# Altium PCB DB3100.PcbDoc
Units mil, origin at the board's own origin, x right, y up, seen from the top; angles counter-clockwise.
Board outline 3937.01 x 1574.8 mil, 2 copper layers (Top Layer, Bottom Layer); 38 components, 56 nets, 232 pads, 28 vias.
Unrouted connection lines stored in the file: 29.
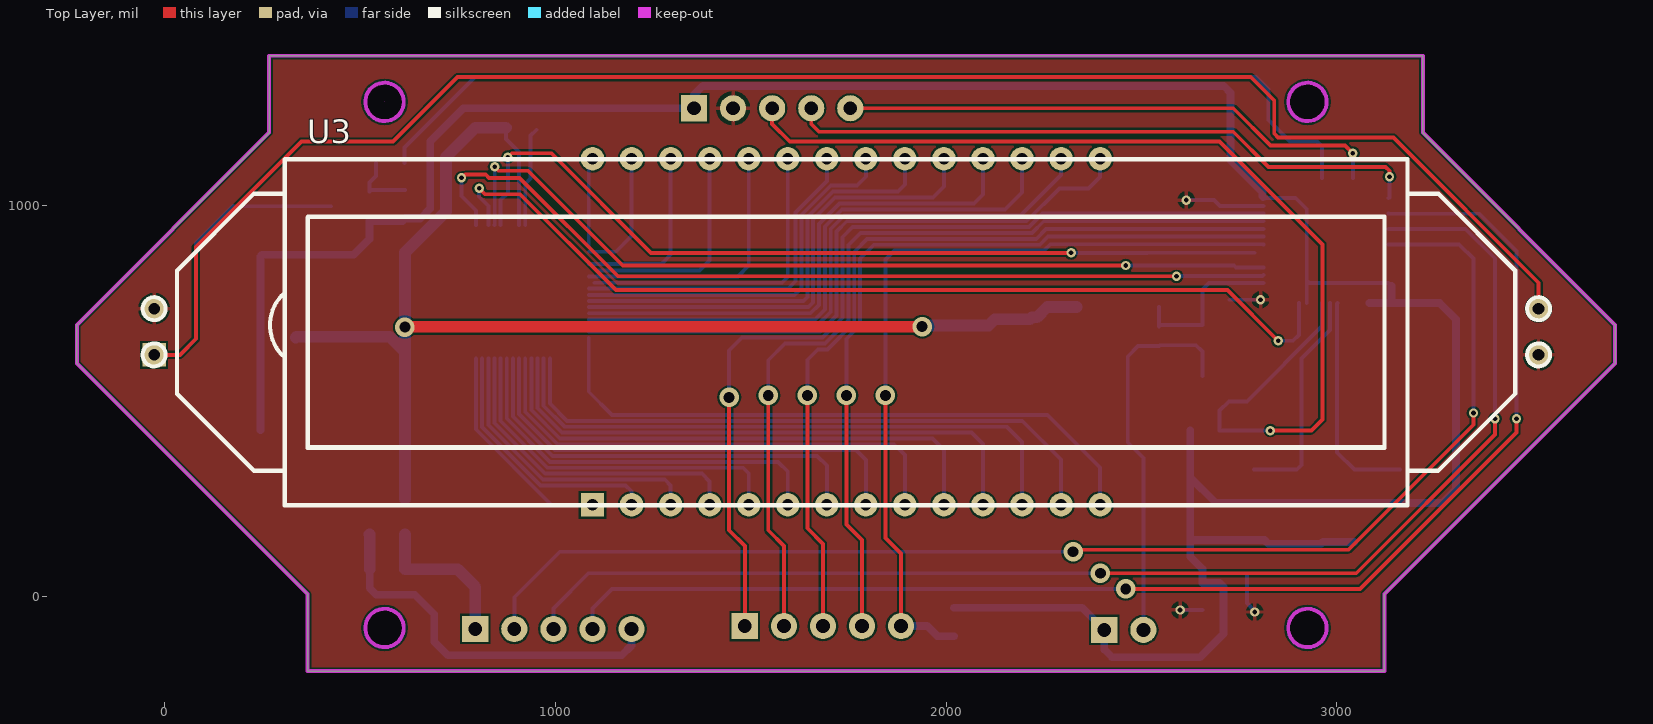
[diagram p0: Top Layer view]
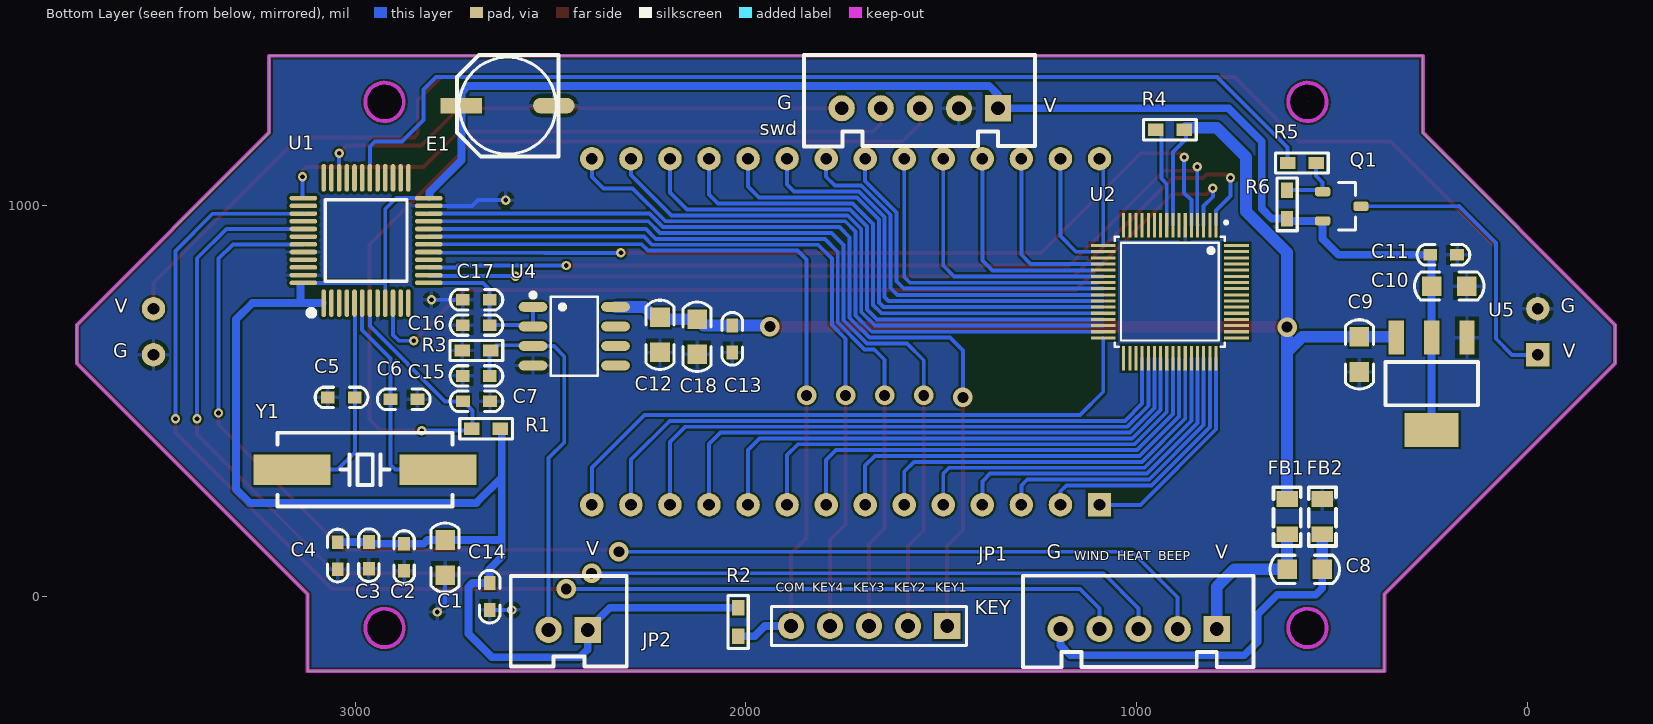
[diagram p1: Bottom Layer view, seen from below]

## Layer stack, top to bottom
Top Solder: solder mask 0.4, Solder Resist, Dk 3.5
Top Layer: signal copper 1.4
Dielectric 1: dielectric 12.6, FR-4, Dk 4.8
Bottom Layer: signal copper 1.4
Bottom Solder: solder mask 0.4, Solder Resist, Dk 3.5

## Board outline
-224.55,597.03 -224.55,695.46 267.58,1187.59 267.58,1384.44 3220.33,1384.44 3220.33,1187.59 3712.46,695.46 3712.46,597.03 3121.91,6.48 3121.91,-190.37 366,-190.37 366,6.48
cut-out: 2875.84,1266.33 ccw(c2925.06,1266.33) 2925.06,1217.11 ccw(c2925.06,1266.33) 2974.27,1266.33 ccw(c2925.06,1266.33) 2925.06,1315.54 ccw(c2925.06,1266.33)
cut-out: 2875.84,-80.13 ccw(c2925.06,-80.13) 2925.06,-129.34 ccw(c2925.06,-80.13) 2974.27,-80.13 ccw(c2925.06,-80.13) 2925.06,-30.92 ccw(c2925.06,-80.13)
cut-out: 513.64,-80.13 ccw(c562.85,-80.13) 562.85,-129.34 ccw(c562.85,-80.13) 612.06,-80.13 ccw(c562.85,-80.13) 562.85,-30.92 ccw(c562.85,-80.13)
cut-out: 562.85,1217.11 cw(c562.85,1266.33) 513.64,1266.33 cw(c562.85,1266.33) 562.85,1315.54 cw(c562.85,1266.33) 612.06,1266.33 cw(c562.85,1266.33)
cut-out: 562.85,1266.33

## Design rules (kind name [scope] priority, off if disabled: settings)
Clearance U2 [InComponent('U2')] p1: gap=6 ignorepadtopadclearanceinfootprint=FALSE
Clearance U1 [InComponent('U1')] p2: gap=7 ignorepadtopadclearanceinfootprint=FALSE
Clearance [All] p3: gap=5 ignorepadtopadclearanceinfootprint=FALSE
HoleSize [All] p1: absolutevalues=TRUE maxlimit=400 minlimit=1 maxpercent=80.000 minpercent=20.000
HoleToHoleClearance [All] p1: gap=4 allowstackedmicrovias=TRUE
MinimumSolderMaskSliver [All] p1: minsoldermaskwidth=3
PolygonConnect [All] p1: connectstyle=Relief reliefconductorwidth=10 reliefentries=4 polygonreliefangle="90 Angle" airgapwidth=10
RoutingVias [All] p1: holewidth=28 width=50 viastyle="Through Hole" minholewidth=28 minwidth=50 maxholewidth=28 maxwidth=50
SilkToSilkClearance [All] p1: silktosilkclearance=0
SilkToSolderMaskClearance [IsPad] p1: minsilkscreentomaskgap=0 clearancetoexposedcopper=TRUE
SolderMaskExpansion [All] p1: expansion=4
Width [All] p1: maxlimit=120 minlimit=10 preferedwidth=10
25 further rules are at their usual default settings.

## Components (designator, comment, footprint, x,y, rotation, side; value= is the part's Value field where it differs from the comment)
C1 "10uF/16V" "C 0805" 2770,100 r90 bottom
C2 "0.1uF" "C 0603" 2875,101.33 r90 bottom
C3 "0.1uF" "C 0603" 2965,106.07 r90 bottom
C4 "0.1uF" "C 0603" 3045,105.07 r90 bottom
C5 "22pF" "C 0603" 3035,510 r180 bottom
C6 "22pF" "C 0603" 2875.84,505 r0 bottom
C7 "0.1uF" "C 0603" 2690,500 r0 bottom
C8 "10uF/16V" "C 0805" 570,70 r0 bottom
C9 "10uF/16V" "C 0805" 430,620 r90 bottom
C10 "10uF/16V" "C 0805" 200,795 r0 bottom
C11 "0.1uF" "C 0603" 215,875 r0 bottom
C12 "10uF/16V" "C 0805" 2220,670 r90 bottom
C13 "0.1uF" "C 0603" 2035,660 r90 bottom
C14 "0.1uF" "C 0603" 2656,0 r270 bottom
C15 "0.1uF" "C 0603" 2690,565 r180 bottom
C16 "0.1uF" "C 0603" 2690,695 r180 bottom
C17 "100pF" "C 0603" 2690,760 r180 bottom
C18 "10uF/16V" "C 0805" 2125,665 r90 bottom
E1 "100uF/16V" "CM D(6.3*5.4)" 2610,1256.72 r0 bottom
FB1 "121" "L 0805" 615,205 r90 bottom
FB2 "121" "L 0805" 524.63,205 r90 bottom
JP1 "HDR-1X5" XH2.54-5P 795,-82.55 r0 bottom
JP2 "HDR-1X2" XH2.54-2P 2405,-84.98 r0 bottom (schematic designator JP?)
KEY "HDR-1X5" HDR-1X5 1485,-75.28 r0 bottom
Q1 "AO3401A" SOT23-3 475,999.16 r180 bottom
R1 "10K" "R 0603" 2665,430 r180 bottom
R2 "10K" "R 0603" 2020,-65 r90 bottom
R3 "30K" "R 0603" 2690,630 r180 bottom
R4 "2K" "R 0603" 915,1195 r0 bottom
R5 "1K" "R 0603" 577.21,1110 r180 bottom
R6 "10K" "R 0603" 615,1004.16 r270 bottom
swd "HDR-1X5" XH2.54-5P 1355,1250 r0 bottom
U1 "STM32F030C8T6" STM32F030C8T6 2972.38,911.58 r180 bottom
U2 "HT1622" HT1622 736,955.5 r0 bottom
U3 "DB3100" DB3100 3181.8,1120.83 r0 top
U4 "LM358" LM358 2600,556.58 r180 bottom
U5 "AMS1117-3.3" AMS1117-3.3 245,545 r90 bottom
Y1 "8MHz" "XTAL-49S SMD" 2975,325 r0 bottom

## Footprints (in the part's own frame and the unit in brackets; to place one, negate y for a bottom-side part, rotate by r counter-clockwise, add the part's x,y. Pads: shape width x height; smd on the part's side, far side on the other; paste and mask are expansions set on the pad)
AMS1117-3.3 [mm]
  rect 2.2x1 smd: 1(3,-2.3) 2(3,0) 3(3,2.3)
  rect 2.2x3.5 smd: 2(-3,0)
  silkscreen extent -1.4,-3 1.4,3, body extent -3.49,-3.24 3.49,3.24, height 1.64
"C 0603" [mil] "无极性贴片电容"
  rect 35x30 smd: 1(-35,0) 2(34,0)
  silkscreen extent -67,-26 67,26, body extent -31,-16 31,16, height 32
"C 0805" [mil] "无极性贴片电容"
  rect 50x50 smd: 1(-45,0) 2(45,0)
  silkscreen extent -89,-36 89,36, body extent -39,-24 39,24, height 20
"CM D(6.3*5.4)" [mm] "贴片电解电容，直径6.3mm，高5.4mm"
  rect 2.7x1 smd: 1(3,0)
  oval 2.7x1 smd: 2(-3,0)
  silkscreen extent -3.3,-3.3 3.3,3.3, body extent -3.5,-3.3 3.5,3.3, height 5.4
DB3100 [mil] "DB3100的屏幕和背光"
  rect 60x60 hole 30: 1(-2086.61,-885.83) 29(-3208.66,-501.97)
  round 60 hole 30: 2(-1986.67,-885.83) 3(-1886.74,-885.83) 4(-1786.8,-885.83) 5(-1686.86,-885.83) 6(-1586.92,-885.83) 7(-1486.98,-885.83) 8(-1387.04,-885.83) 9(-1287.1,-885.83) 10(-1187.16,-885.83) 11(-1087.22,-885.83) 12(-987.28,-885.83) 13(-887.34,-885.83) 14(-787.4,-885.83) 15(-787.4,0) 16(-887.34,0) 17(-987.28,0) 18(-1087.22,0) 19(-1187.16,0) 20(-1287.1,0) 21(-1387.04,0) 22(-1486.98,0) 23(-1586.92,0) 24(-1686.86,0) 25(-1786.8,0) 26(-1886.74,0) 27(-1986.67,0) 28(-2086.61,0) 30(-3208.66,-383.86) 31(334.65,-383.86) 32(334.65,-501.97)
  silkscreen extent -3238,-886 364,0, body extent -3154,-886 272,4, height 181
HDR-1X5 [mm] "排针，5脚"
  rect 1.7x1.7 hole 0.9: 1(0,0)
  round 1.7 hole 0.9: 2(2.54,0) 3(5.08,0) 4(7.62,0) 5(10.16,0)
  silkscreen extent -1.27,-1.27 11.43,1.27, body extent -1.27,-1.27 11.43,1.27, height 8.5
HT1622 [mil] "64脚，体宽10x10mm，脚距0.5mm"
  rect 7.9x63 smd mask+2: 1(61,4.5) 2(76.7,4.5) 3(92.5,4.5) 4(108.2,4.5) 5(124,4.5) 6(139.7,4.5) 7(155.5,4.5) 8(171.2,4.5) 9(187,4.5) 10(202.7,4.5) 11(218.5,4.5) 12(234.2,4.5) 13(250,4.5) 14(265.7,4.5) 15(281.5,4.5) 16(297.2,4.5) 33(297.2,345.5) 34(281.5,345.5) 35(265.7,345.5) 36(250,345.5) 37(234.2,345.5) 38(218.5,345.5) 39(202.7,345.5) 40(187,345.5) 41(171.2,345.5) 42(155.5,345.5) 43(139.7,345.5) 44(124,345.5) 45(108.2,345.5) 46(92.5,345.5) 47(76.7,345.5) 48(61,345.5)
  rect 63x7.9 smd mask+2: 17(349.6,56.9) 18(349.6,72.6) 19(349.6,88.4) 20(349.6,104.1) 21(349.6,119.9) 22(349.6,135.6) 23(349.6,151.4) 24(349.6,167.1) 25(349.6,182.9) 26(349.6,198.6) 27(349.6,214.4) 28(349.6,230.1) 29(349.6,245.9) 30(349.6,261.6) 31(349.6,277.4) 32(349.6,293.1) 49(8.6,293.1) 50(8.6,277.4) 51(8.6,261.6) 52(8.6,245.9) 53(8.6,230.1) 54(8.6,214.4) 55(8.6,198.6) 56(8.6,182.9) 57(8.6,167.1) 58(8.6,151.4) 59(8.6,135.6) 60(8.6,119.9) 61(8.6,104.1) 62(8.6,88.4) 63(8.6,72.6) 64(8.6,56.9)
  silkscreen extent 31,-6 320,316, body extent 3,-2 357,352, height 61
"L 0805" [mil] "小功率贴片电感"
  rect 40x55 smd: 1(-45,0) 2(45,0)
  silkscreen extent -75,-35 75,35, body extent -39,-24 39,24, height 35
LM358 [mm] "5*6*1.8mm（长宽高）"
  oval 1.865x0.63 smd mask+0.051: 1(1.397,4.699) 2(1.397,3.429) 3(1.397,2.159) 4(1.397,0.889) 5(6.762,0.889) 6(6.762,2.159) 7(6.762,3.429) 8(6.762,4.699)
  silkscreen extent 1.25,0.22 5.6,5.62, body extent 1.06,0.29 7.07,5.29, height 1.9
"R 0603" [mil] "1/10W贴片电阻"
  rect 40x31.5 smd: 1(-36.5,0) 2(36.5,0)
  silkscreen extent -68,-26 68,26, body extent -31,-16 31,16, height 16
SOT23-3 [mm] "SOT23, 3-Leads, Body 3.1x3.0mm (max), Pitch 0.95mm, IPC Medium Density"
  rrect50% 1x0.6 smd: 1(-1.246,0.95) 2(-1.246,-0.95) 3(1.246,0)
  silkscreen extent -0.2,-1.55 0.9,1.55, body extent -1.3,-1.45 1.5,1.45, height 1.2
STM32F030C8T6 [mm]
  oval 0.3x1.8 smd: 1(-2.75,-4.073) 2(-2.25,-4.073) 3(-1.75,-4.073) 4(-1.25,-4.073) 5(-0.75,-4.073) 6(-0.25,-4.073) 7(0.25,-4.073) 8(0.75,-4.073) 9(1.25,-4.073) 10(1.75,-4.073) 11(2.25,-4.073) 12(2.75,-4.073) 25(2.75,4.073) 26(2.25,4.073) 27(1.75,4.073) 28(1.25,4.073) 29(0.75,4.073) 30(0.25,4.073) 31(-0.25,4.073) 32(-0.75,4.073) 33(-1.25,4.073) 34(-1.75,4.073) 35(-2.25,4.073) 36(-2.75,4.073)
  oval 1.8x0.3 smd: 13(4.073,-2.75) 14(4.073,-2.25) 15(4.073,-1.75) 16(4.073,-1.25) 17(4.073,-0.75) 18(4.073,-0.25) 19(4.073,0.25) 20(4.073,0.75) 21(4.073,1.25) 22(4.073,1.75) 23(4.073,2.25) 24(4.073,2.75) 37(-4.073,2.75) 38(-4.073,2.25) 39(-4.073,1.75) 40(-4.073,1.25) 41(-4.073,0.75) 42(-4.073,0.25) 43(-4.073,-0.25) 44(-4.073,-0.75) 45(-4.073,-1.25) 46(-4.073,-1.75) 47(-4.073,-2.25) 48(-4.073,-2.75)
  silkscreen extent -3.68,-4.83 2.65,2.65, body extent -4.5,-4.5 4.5,4.5, height 1.05
XH2.54-2P [mm] "接插件，2P"
  rect 1.7x1.7 hole 0.9: 1(0,0)
  round 1.7 hole 0.9: 2(2.54,0)
  silkscreen extent -2.54,-3.51 5.01,2.37, body extent -2.5,-3.3 5.04,2.4, height 7.05
XH2.54-5P [mm] "接插件，5P"
  rect 1.7x1.7 hole 0.9: 1(0,0)
  round 1.7 hole 0.9: 2(2.54,0) 3(5.08,0) 4(7.62,0) 5(10.16,0)
  silkscreen extent -2.4,-3.45 12.6,2.49, body extent -2.5,-3.3 12.66,2.4, height 7.03
"XTAL-49S SMD" [mm]
  rect 5x2 smd: 1(-4.75,0) 2(4.75,0)
  silkscreen extent -5.7,-2.4 5.7,2.4, body extent -6.7,-2.46 6.7,2.44, height 4

## Part data
C1 C2 C3 C4 C5 C6 C7 C8 C9 C10 C11 C12 C13 C14 C15 C16 C17 C18: library part C, "无极性贴片电容", 学习资源=www.o
E1: library part C-CAP, "直插电解电容"
FB1 FB2: library part FB, "磁珠"
JP1 KEY swd: library part "Header 5", "5P接插件", BOM名称=5, 学习资源=www.o
JP2: library part "Header 2", "2P接插件", BOM名称=2, 学习资源=www.o
Q1: "P-MOS"
R1 R2 R3 R4 R5 R6: library part R, "贴片电阻", 学习资源=www.o
U1: "STM32F030采用ARM Cortex内核，运算速度高达48 MHz。STM32F030是STM32系列中价格最低的产品，具有全套外设，例如高速12位AD"
U2: "LCD驱动，64引脚"
U3: "DB3100的屏幕"
U4: "LM358是由两个独立的高增益运算放大器组成"
U5: "转3.3V电压"
Y1: library part XTAL-2, "2脚晶振", 学习资源=www.o

## Via types
v1: diameter 24, hole 12, Top Layer to Bottom Layer, tented both sides, 18 vias
v2: diameter 50, hole 28, Top Layer to Bottom Layer, tented both sides, 10 vias

## Nets (pads, with @x,y where several pads share a name; then routed paths per layer and width w, separated by ;. In a path a pad name is that pad's centre, name@x,y a point inside that pad or via, vN(x,y) a via of type N, cw(c..) or ccw(c..) an arc to the next point about the centre after c; other vN are vias at no path point)
3.3V: C1.2 C2.2 C3.2 C4.2 C10.2 C11.2 C14.1 E1.1 JP2.1 Q1.2 R1.2 R2.2 R6.2 swd.1 U1.1 U1.9 U1.24 U1.48 U5.2 | length 7382.3
  Bottom Layer w10: U1.24 2895.15,1019.85 2923.17,991.83 2923.17,810 ; U1.9 2923.17,810 ; U1.48 2929.86,803.31 2923.17,810
  Bottom Layer w20: U5.2@245,426.89 245,663.11 C10.2 245,871 C11.2 483.64,875 524.06,915.42 Q1.2 609.1,961.76 R6.2 654.02,967.66 680,993.64 680,1165 765,1250 swd.1 1355,1284.55 1377.69,1307.24 2710.5,1307.24 2728.11,1289.64 E1.1 2728.11,1116.89 2810,1035 2810,1025.09 U1.24@2812.02,1023.07 ; R2.2 2348.52,-28.5 JP2.1 2405,-135 2425,-155 2650,-155 2710,-95 2710,25 2700,35 C14.1 2656,71.07 2625,102.07 2625,145 ; R1.2@2625,425 2625,305 ; C4.2 3044,140.07 C3.2 2960.26,135.33 C2.2 2824.67,135.33 2815,145 C1.2 2625,145 ; U1.1@3083.87,751.22 3140,751.22 ; 3140,795 3140,751.22 ; 2625,145 2625,305 ; 2625,305 2690,240 3270,240 3305,275 3305,710 3263.78,751.22 3140,751.22
5V: C9.2 C12.2 C13.2 C18.2 FB1.2 R4.1 U2.8 U4.8 U5.3 | length 3404.1
  Top Layer w30: v2(615,690) 616,691 v2(1939,691)
  Bottom Layer w10: R4.1@873.5,1200 873.5,1171.5 907.2,1137.8 U2.8
  Bottom Layer w30: U5.3 337.44,665 C9.2 576.46,665 615,626.46 ; FB1.2 615,626.46 ; R4.1@873.5,1200 795,1200 720,1125 720,985.66 615,880.66 v2(615,690) 615,626.46 ; v2(1939,691) 1939,694 C13.2 2109,694 C18.2 2215,710 C12.2 2233.03,715 2259.61,741.58 U4.8
5V_IN: C8.2 FB1.1 JP1.1 | length 396.2
  Bottom Layer w30: FB1.1 C8.2 750,70 795,25 JP1.1
AD_T1: C16.2 C17.2 U1.13 U4.1 U4.2 | length 416.6
  Bottom Layer w10: U4.1 U4.2 2548.42,695 C16.2 C17.2 2656,786 2673.31,803.31 U1.13
BEEP: JP1.2 U1.43 | length 3376.4
  Top Layer w10: v2(2325,115) 2330,120 3030,120 3350,440 v1(3350,470)
  Bottom Layer w10: JP1.2 895,-1.51 1011.51,115 v2(2325,115) ; U1.43 3313.26,901.74 3350,865 v1(3350,470)
COM1: U2.17 U3.28 | length 226.2
  Bottom Layer w10: U2.17 1085.6,1111.24 U3.28
COM2: U2.18 U3.27 | length 323.9
  Bottom Layer w10: U2.18 1155,882.9 1195.12,923.02 U3.27
COM3: U2.20 U3.26 | length 465
  Bottom Layer w10: U2.20 1271.4,851.4 1295.06,875.06 U3.26
COM4: U2.21 U3.25 | length 555.9
  Bottom Layer w10: U2.21@1110,834.9 1369.3,834.9 1395,860.6 U3.25
COM5: U2.22 U3.24 | length 694.1
  Bottom Layer w10: U2.22 1467.32,819.9 1494.94,847.52 U3.24
COM6: U2.23 U3.23 | length 803.6
  Bottom Layer w10: U2.23@1100,803.4 1580.09,803.4 1594.88,818.19 U3.23
COM7: U2.24 U3.22 | length 883.9
  Bottom Layer w10: U2.24 1596.2,788.4 1615,807.2 1615,983.64 1694.82,1063.46 U3.22
COM8: U2.25 U3.21 | length 990.5
  Bottom Layer w10: U2.25@1085.6,771.9 1611.9,771.9 1630,790 1630,977.43 1704.98,1052.4 1772.4,1052.4 1794.76,1074.76 U3.21
CS: U1.14 U2.1 | length 2300.6
  Top Layer w10: v1(760,1071.93) 761.93,1071.93 770,1080 821.93,1080 830,1071.93 908.07,1071.93 1160,820 v1(2590,820)
  Bottom Layer w10: v1(760,1071.93) 760,1025 797,988 U2.1 ; v1(2590,820) 2591.22,821.22 2810.24,821.22 U1.14
DATA: U1.17 U2.5 | length 2203.6
  Top Layer w10: v1(878.5,1125) 888.5,1135 990,1135 1245,880 v1(2320,880)
  Bottom Layer w10: U2.5 860,1015 878.5,1033.5 v1(878.5,1125) ; v1(2320,880) 2515.54,880 2515.27,880.27 U1.17@2790,880.27
DGND: C8.1 FB2.1 JP1.5 | length 973.5
  Bottom Layer w20: C8.1 525,21.48 541.48,5 640,5 690,-45 690,-115 725,-150 1170,-150 1195,-125 JP1.5
  Bottom Layer w30: FB2.1 525,159.63 C8.1
GND: C1.1 C2.1 C3.1 C4.1 C5.1 C6.1 C7.1 C9.1 C10.1 C11.1 C12.1 C13.1 C14.2 C15.1 C16.1 C17.1 C18.1 E1.2 FB2.2 R3.1 swd.2 U1.8 U1.23 U1.44 U1.47 U2.6 U3.30 U3.32 U4.4 U5.1 | length 437.7
  Bottom Layer w10: v1(2599,-34) C14.2 ; v1(2615,1015) 2686.21,1015 2701.05,1000.16 U1.23 ; C17.1 v1@2800,760 ; C1.1 2770,-16.52 2790,-36.52 v1(2790,-39.21)
  other v1: 2805,760
HEAT: JP1.3 U1.41 | length 3401.3
  Top Layer w10: v2(2395,60) 3050,60 3405,415 v1(3405,455)
  Bottom Layer w10: JP1.3 995,-30 1085,60 v2(2395,60) ; U1.41 3330,941.11 3405,866.11 v1(3405,455)
KEY1: KEY.1 U1.22 | length 2354.8
  Top Layer w10: v2(1445,510) 1445,170 1485,130 KEY.1
  Bottom Layer w10: v2(1445,510) 1445,630 1478.1,663.1 1684.31,663.1 1735,713.79 1735,920 1760.79,945.79 2212,945.79 2246.69,980.48 U1.22
KEY2: KEY.2 U1.21 | length 2224
  Top Layer w10: v2(1545,515) 1545,170 1585,130 KEY.2
  Bottom Layer w10: v2(1545,515) 1545,605 1588.1,648.1 1690.53,648.1 1750,707.57 1750,900 1780.79,930.79 2220,930.79 2250,960.79 U1.21
KEY3: KEY.3 U1.20 | length 2110.4
  Top Layer w10: v2(1645,515) 1645,175 1685,135 KEY.3
  Bottom Layer w10: v2(1645,515) 1645,606.38 1671.72,633.1 1696.74,633.1 1765,701.36 1765,882.6 1798.19,915.79 2230.79,915.79 2256.11,941.11 U1.20
  Bottom Layer w20: KEY.3 KEY.3@1685.28,-75.28
KEY4: KEY.4 U1.19 | length 2026.7
  Top Layer w10: v2(1745,515) 1745,185 1785,145 KEY.4
  Bottom Layer w10: v2(1745,515) 1745,660.15 1780,695.15 1780,865 1815.79,900.79 2240.79,900.79 2261.42,921.42 U1.19
KEY_COM: KEY.5 R2.1 U1.18 | length 2083.7
  Top Layer w10: v2(1845,515) 1845,150 1885,110 KEY.5
  Bottom Layer w10: v2(1845,515) 1845,862.52 1868.27,885.79 2250.79,885.79 2267,902 2811.76,902 U1.18
  Bottom Layer w20: KEY.5 1951.84,-75.28 1978.06,-101.5 R2.1
LED_ADJ: R5.1 U1.30 | length 2662.7
  Bottom Layer w10: R5.1 613.71,1149.63 794.07,1330 2792.99,1330 2825,1297.99 2825,1220 2880,1165 2949.66,1165 2962.54,1152.12 U1.30
NetC15_2: C15.2 JP2.2 R3.2 U4.3 | length 988.5
  Bottom Layer w10: JP2.2 2505,355 2465,395 2465,615 2491.58,641.58 U4.3 2546.92,643.5 2640,643.5 R3.2 2656,627.5 C15.2
NetQ1_1: Q1.1 R5.2 R6.1 | length 167.2
  Bottom Layer w10: Q1.1 524.06,1060.48 540.71,1077.13 R5.2 ; Q1.1@528.15,1040.66 R6.1
NetR4_2: R4.2 U2.9 | length 255.8
  Bottom Layer w10: U2.9 923,1056.5 936.5,1070 936.5,1180 R4.2
NRST: C7.2 R1.1 swd.3 U1.7 | length 2761.4
  Top Layer w10: swd.3 1555,1210 1600,1165 2700,1165 2963.28,901.72 2963.28,453.23 2935.06,425 v1(2830,425)
  Bottom Layer w10: v1(2830,425) 2700,425 2700,476 C7.2 2770,500 2962.54,692.54 U1.7
OSC_IN: C5.2 U1.5 Y1.2 | length 561.8
  Bottom Layer w10: U1.5 3001,750.32 C5.2 3001,369 3045,325 Y1.2
OSC_OUT: C6.2 U1.6 Y1.1 | length 571
  Bottom Layer w10: Y1.1 2897.72,325 2909.84,337.13 C6.2 2909.84,609.84 2982.22,682.22 U1.6
RD: U1.10 U2.3 | length 2451.2
  Top Layer w10: v1(805,1045) 820,1030 910,1030 1155,785 2720,785 v1(2850,655)
  Bottom Layer w10: v1(805,1045) 805,1023.5 828.5,1000 U2.3 ; v1(2850,655) 2888.48,655 2903.48,670 U1.10
SEG1: U2.26 U3.20 | length 1118
  Bottom Layer w10: U2.26 1634.82,756.9 1645,767.08 1645,971.21 1711.19,1037.4 1877.1,1037.4 1894.7,1055 U3.20
SEG2: U2.27 U3.19 | length 1232.1
  Bottom Layer w10: U2.27 1647.92,741.1 1660,753.18 1660,965 1716.21,1021.21 1966.21,1021.21 1994.64,1049.64 U3.19
SEG3: U2.28 U3.18 | length 1347.3
  Bottom Layer w10: U2.28 1653.43,725.4 1675,746.97 1675,953.64 1727.57,1006.21 2071.21,1006.21 2094.58,1029.58 U3.18
SEG4: U2.29 U3.17 | length 1454.2
  Bottom Layer w10: U2.29 1664.49,709.6 1690,735.11 1690,947.43 1733.79,991.21 2151.21,991.21 2194.52,1034.52 U3.17
SEG5: U2.30 U3.16 | length 1534.3
  Bottom Layer w10: U2.30 1670,693.9 1705,728.9 1705,941.21 1739.58,975.79 2190.79,975.79 2294.45,1079.45 U3.16
SEG6: U2.31 U3.15 | length 1645.3
  Bottom Layer w10: U2.31 1678.1,678.1 1720,720 1720,935 1745.79,960.79 2205.79,960.79 2290,1045 2365,1045 2394.39,1074.39 U3.15
SEG7: U2.32 U3.14 | length 1622.7
  Bottom Layer w10: U2.32 1085.6,524.4 1145,465 2260,465 2394.39,330.61 U3.14
SEG8: U2.36 U3.13 | length 1599.4
  Bottom Layer w10: U2.36 986,494 1030,450 2195,450 2294.45,350.55 U3.13
SEG9: U2.37 U3.12 | length 1544.8
  Bottom Layer w10: U2.37 970.2,488.59 1023.79,435 2155,435 2194.52,395.48 U3.12
SEG10: U2.38 U3.11 | length 1460.8
  Bottom Layer w10: U2.38 954.5,483.07 1017.57,420 2065,420 2094.58,390.42 U3.11
SEG11: U2.39 U3.10 | length 1371
  Bottom Layer w10: U2.39 938.7,477.66 1011.36,405 1965,405 1994.64,375.36 U3.10
SEG12: U2.40 U3.9 | length 1282.3
  Bottom Layer w10: U2.40 923,472.15 1005.15,390 1866.84,390 1894.7,362.14 U3.9
SEG13: U2.41 U3.8 | length 1194.9
  Bottom Layer w10: U2.41 906.5,609.3 906.5,467.43 998.93,375 1770,375 1794.76,350.24 U3.8
SEG14: U2.42 U3.7 | length 1104.5
  Bottom Layer w10: U2.42 891.5,461.22 992.72,360 1670,360 1694.82,335.18 U3.7
SEG15: U2.43 U3.6 | length 1014.7
  Bottom Layer w10: U2.43 875.7,455.81 986.51,345 1570,345 1594.88,320.12 U3.6
SEG16: U2.44 U3.5 | length 930.7
  Bottom Layer w10: U2.44 860,450.29 980.29,330 1480,330 1494.94,315.06 U3.5
SEG17: U2.45 U3.4 | length 838
  Bottom Layer w10: U2.45 844.2,444.88 974.08,315 1375,315 1395,295 U3.4
SEG18: U2.46 U3.3 | length 751.1
  Bottom Layer w10: U2.46 828.5,439.37 967.87,300 1280,300 1295.06,284.94 U3.3
SEG19: U2.47 U3.2 | length 661.3
  Bottom Layer w10: U2.47 812.7,433.95 961.65,285 1180,285 1195.12,269.88 U3.2
SEG20: U2.48 U3.1 | length 559.9
  Bottom Layer w10: U2.48 797,428.44 990.44,235 U3.1
SWCLK: swd.4 U1.37 | length 1640.8
  Top Layer w10: swd.4 1655,1210 1675,1190 2735,1190 2825,1100 3125,1100 3135,1090 v1(3135,1075)
  Bottom Layer w10: U1.37 3135,1022.11 v1(3135,1075)
SWDIO: swd.5 U1.34 | length 1397
  Top Layer w10: swd.5 2735,1250 2830,1155 3021.28,1155 v1(3041.28,1135)
  Bottom Layer w10: U1.34 v1(3041.28,1135)
VLED+: Q1.3 U3.29 U3.31 | length 5064.5
  Top Layer w10: U3.29 38.86,618.86 80,660 80,895 350,1165 585,1165 750,1330 2780,1330 2840,1270 2840,1185 2850,1175 3145,1175 3516.44,803.56 U3.31
  Bottom Layer w10: U3.29 38.86,618.86 80,660 80,905 175,1000 175.84,999.16 Q1.3
WIND: JP1.4 U1.39 | length 3440.8
  Top Layer w10: v2(2460,20) 3060,20 3460,420 v1(3460,455)
  Bottom Layer w10: JP1.4 1095,-30 1145,20 v2(2460,20) v2@2465,20 ; U1.39 3133.21,980 3365,980 3460,885 v1(3460,455)
WR: U1.15 U2.4 | length 2222.9
  Top Layer w10: v1(845,1100) 855,1090 930,1090 1172.48,847.52 v1(2460,847.52)
  Bottom Layer w10: U2.4 845,951.8 v1(845,1100) ; v1(2460,847.52) 2737.48,847.52 2742.32,842.68 U1.15
pads on no net: U1.2 U1.3 U1.4 U1.11 U1.12 U1.16 U1.25 U1.26 U1.27 U1.28 U1.29 U1.31 U1.32 U1.33 U1.35 U1.36 U1.38 U1.40 U1.42 U1.45 U1.46 U2.2 U2.7 U2.10 U2.11 U2.12 U2.13 U2.14 U2.15 U2.16 U2.19 U2.33 U2.34 U2.35 U2.49 U2.50 U2.51 U2.52 U2.53 U2.54 U2.55 U2.56 U2.57 U2.58 U2.59 U2.60 U2.61 U2.62 U2.63 U2.64 U4.5 U4.6 U4.7

## Polygon pours and split planes (outlines as drawn)
GND on Top Layer "GND_L01_P000" (solid, remove dead copper, pour order 0): -224.55,597.03 -224.55,695.46 267.58,1187.59 267.58,1384.44 3220.33,1384.44 3220.33,1187.59 3712.46,695.46 3712.46,597.03 3121.91,6.48 3121.91,-190.37 366,-190.37 366,6.48
GND on Bottom Layer "GND_L02_P001" (solid, remove dead copper, pour order 1): -224.55,597.03 -224.55,695.46 267.58,1187.59 267.58,1384.44 3220.33,1384.44 3220.33,1187.59 3712.46,695.46 3712.46,597.03 3121.91,6.48 3121.91,-190.37 366,-190.37 366,6.48

## Keep-outs
Keep-Out Layer:
  circle w10: c562.85,-80.13 r49.21
  circle w10: c2925.06,-80.13 r49.21
  circle w10: c2925.06,1266.33 r49.21
  circle w10: c562.85,1266.33 r49.21
  lines w10: -224.55,597.03 -224.55,695.46 267.58,1187.59 267.58,1384.44 3220.33,1384.44 3220.33,1187.59 3712.46,695.46 3712.46,597.03 3121.91,6.48 3121.91,-190.37 366,-190.37 366,6.48 -224.55,597.03

## Silkscreen, mask and mechanical layers (free items; w line width, h text height)
Top Overlay:
  lines w10: 306.95,321.44 228.21,321.44 31.36,518.29 31.36,833.25 228.21,1030.1 306.95,1030.1 ; 3180.96,321.44 3259.7,321.44 3456.55,518.29 3456.55,833.25 3259.7,1030.1 3180.96,1030.1 ; 306.95,232.86 3180.96,232.86 3180.96,1118.69 306.95,1118.69 306.95,232.86 ; 366,380.5 366,971.05 3121.91,971.05 3121.91,380.5 366,380.5
Bottom Overlay:
  text "G" at 1920,1235 h60
  text "V" at 1205,1228.86 h60
  text "G" at -85,715 h60
  text "V" at 3615,715 h60
  text "V" at -90,600 h60
  text "G" at 3620,600 h60
  text "V" at 2375,95 h60
  text "V" at 765,85 h60
  text "BEEP" at 945,85 h40
  text "HEAT" at 1050,85 h40
  text "WIND" at 1160,85 h40
  text "G" at 1230,85 h60
  text "KEY1" at 1515,5 h40
  text "KEY2" at 1620,5 h40
  text "KEY3" at 1725,5 h40
  text "KEY4" at 1830,5 h40
  text "COM" at 1923.36,5 h40